# Altium PCB RevA3.PcbDoc (part 4 of 5) (continued)
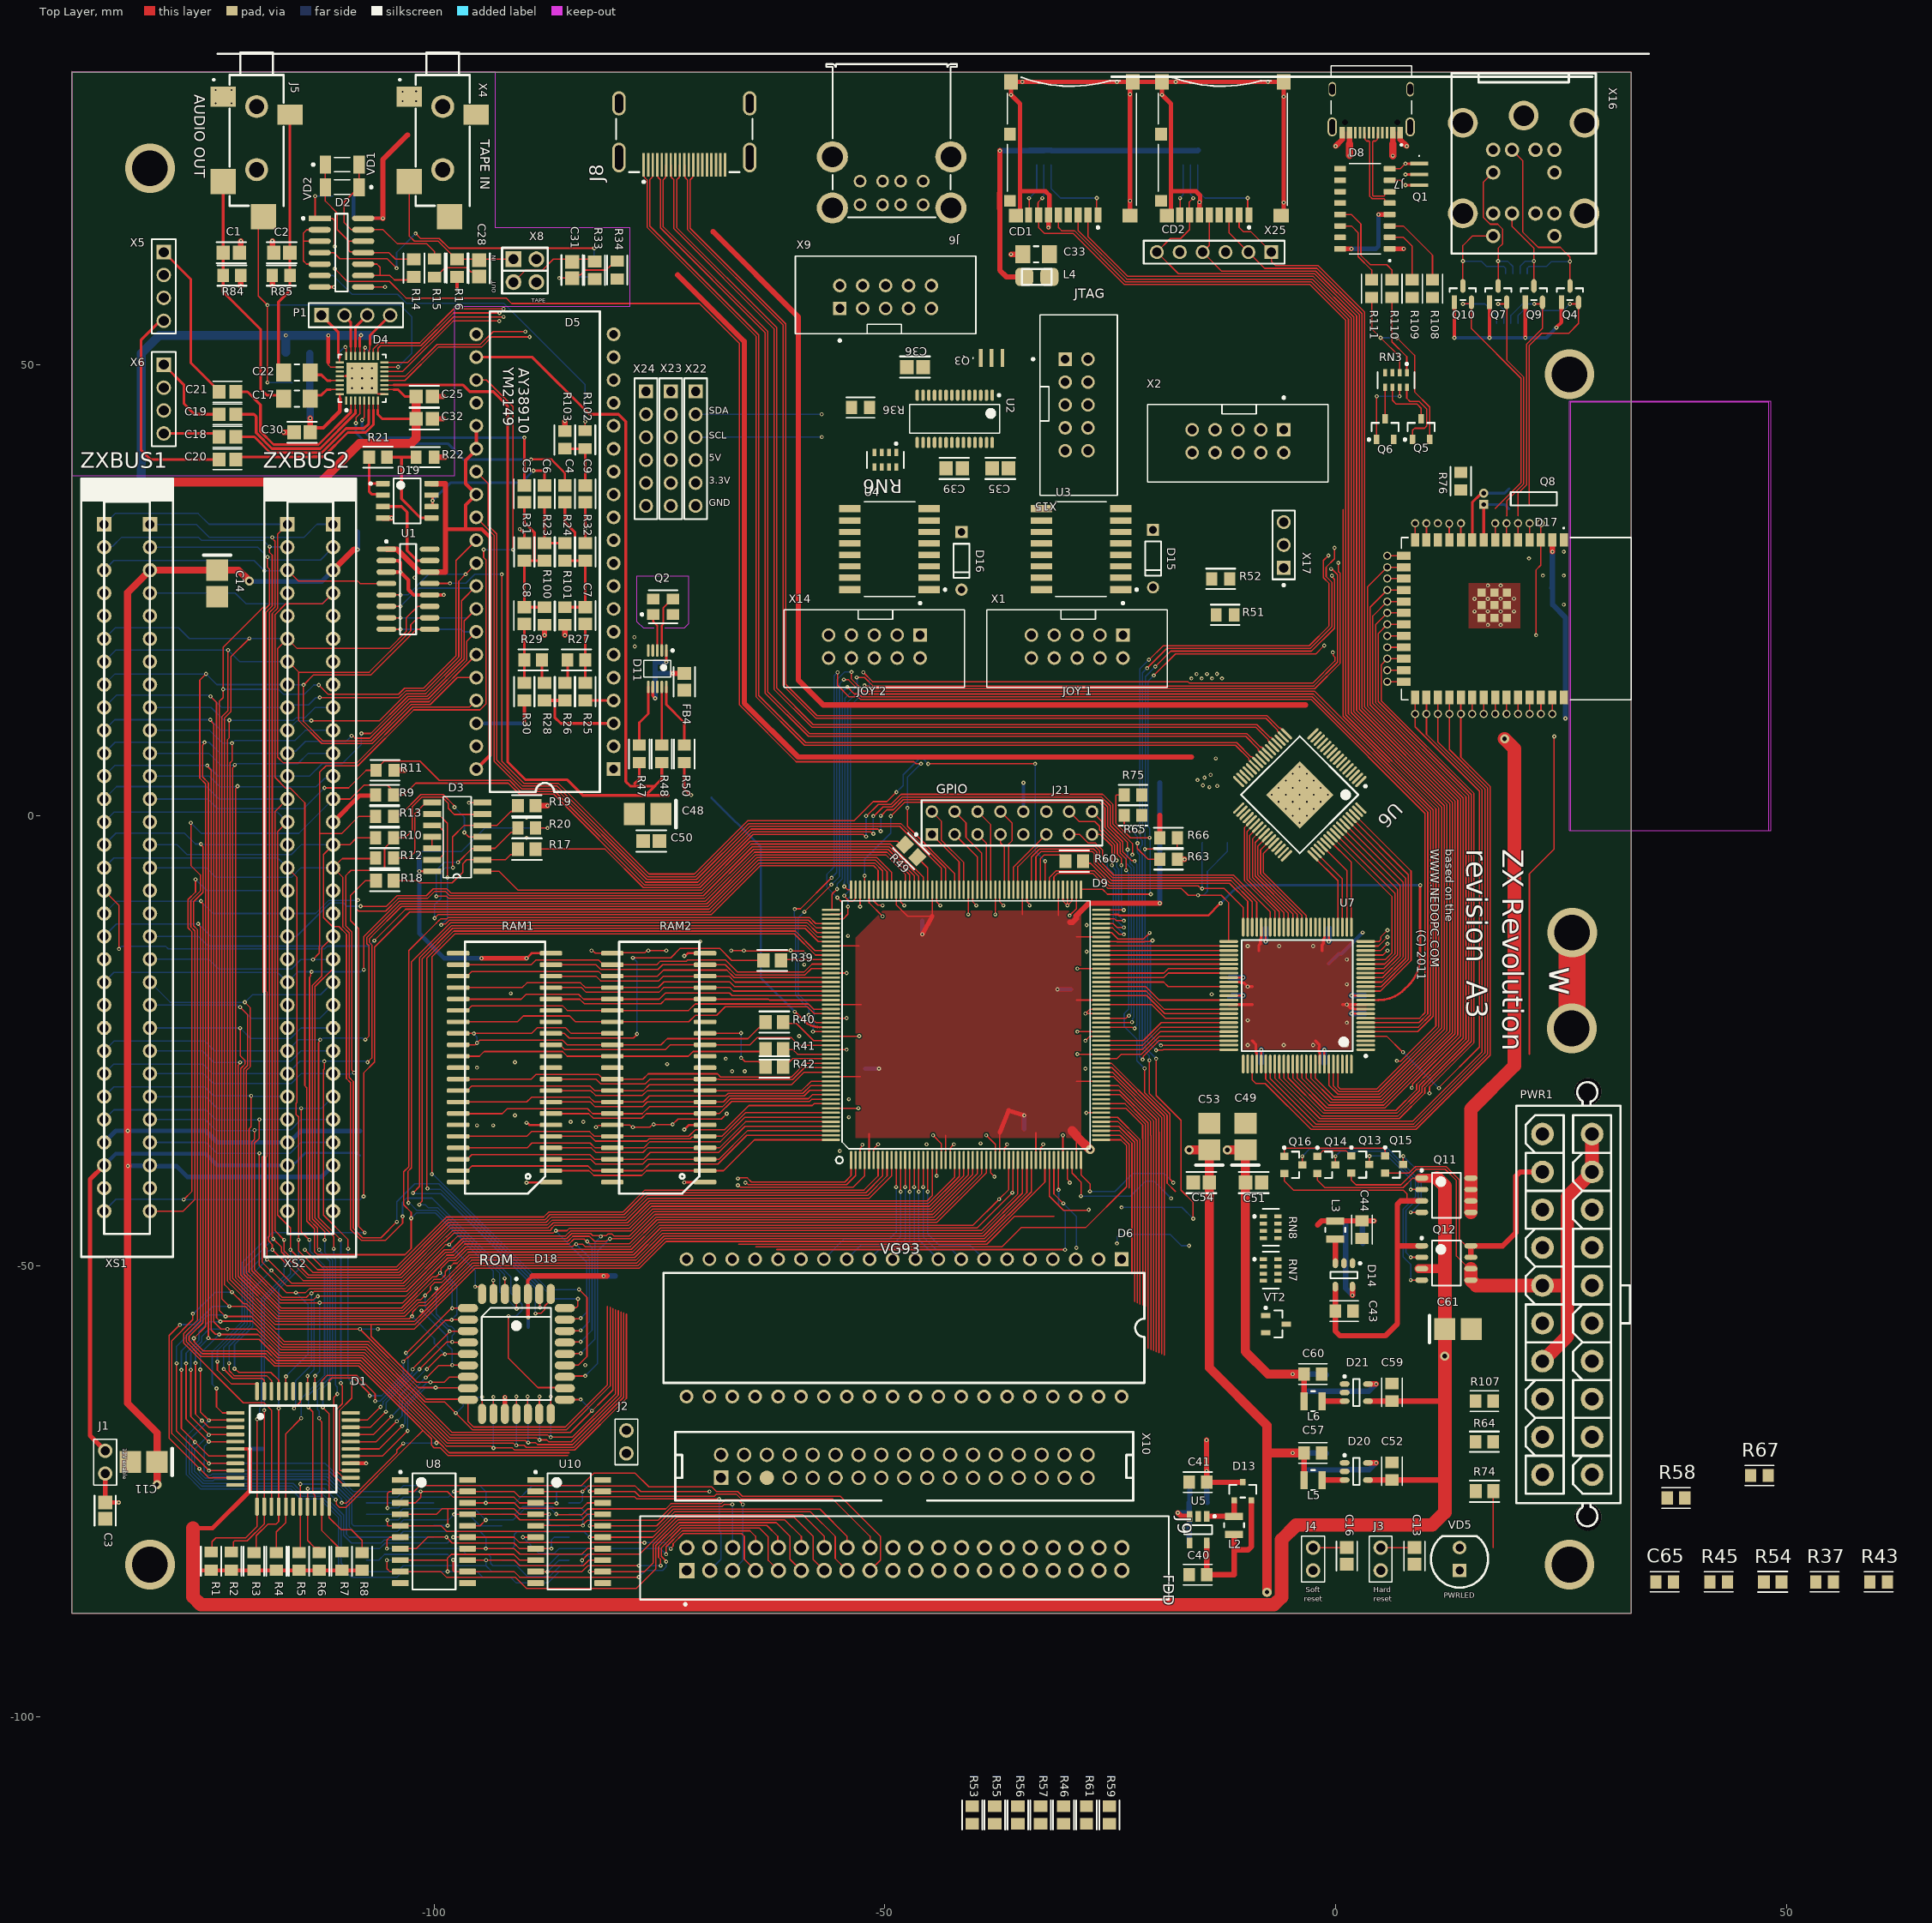
[diagram p0: Top Layer view]
## Nets (pads, with @x,y where several pads share a name; then routed paths per layer and width w, separated by ;. In a path a pad name is that pad's centre, name@x,y a point inside that pad or via, vN(x,y) a via of type N, cw(c..) or ccw(c..) an arc to the next point about the centre after c; other vN are vias at no path point) (continued)
  Top Layer w0.15: J8.4@-75.25,72.2 -75.185,72.135 -75.185,70.806 -74.893,70.515 -74.893,65.182 -63.3,53.588 -63.3,13.583 -58.488,8.771 -9.973,8.771 -8.558,7.356 -8.558,7.215 U6.24@-7.922,6.578
HDMI_TX2_13_N: J8.3 U6.26 | length 122.5
  Top Layer w0.15: J8.3@-75.75,72.2 -75.815,72.135 -75.815,70.806 -76.085,70.536 -76.085,65.383 -64,53.298 -64,13.293 -58.778,8.071 -10.97,8.071 -9.406,6.508 -9.265,6.508 U6.26@-8.629,5.871
HDMI_TX2_13_P: J8.1 U6.27 | length 122.8
  Top Layer w0.15: J8.1@-76.75,72.2 -76.685,72.135 -76.685,70.806 -76.385,70.506 -76.385,65.259 -64.3,53.174 -64.3,13.169 -58.902,7.771 -11.094,7.771 -9.619,6.296 -9.619,6.154 U6.27@-8.982,5.518
HSYNC_1: D9.111 U6.64 U7.51 | length 34.2
  Top Layer w0.15: D9.111@-31.25,-8.25 -31.25,-6.823 -30.885,-6.458 -26.893,-6.458 -25.228,-8.123 -17.088,-8.123 -16.347,-8.864 v1(-15.25,-8.864) -12.678,-8.864 -11.85,-9.692 U7.51@-11.85,-14
  Bottom Layer w0.15: v1(-15.25,-8.864) -14.64,-8.864 -14.219,-8.443 -14.219,-6.219 -12,-4 -12,-3
I2C.SCL_1: D4.17 D11.4 D17.38 R51.2 U3.14 U4.14 U6.35 X22.3 X23.3 X24.3 | length 57.4
  Top Layer w0.15: D4.17@-106.25,50.975 -106.25,51.831 -105.962,52.119 -101.479,52.119 -97.847,55.752 v1(-92.75,55.752) ; v2(22.782,11.25) D17.38@22.782,13.075
  Mid Layer 2 w0.15: v1(-77.791,19.769) -77.83,19.807 -77.874,19.851 -78.038,40.356 -78.038,40.419 -76.5,41.957 X24.3@-76.5,41.96 X23.3@-73.75,41.96
  Bottom Layer w0.15: X22.3@-71,41.96 -67.5,41.96 -67.49,41.97 -57.01,41.97 v1(-57,41.98)
  other v1: -13.998,3.131
  other v4: -13.715,15.19
I2C.SDA_1: D4.18 D11.5 D17.39 R52.2 U3.15 U4.15 U6.36 X22.2 X23.2 X24.2 | length 32.9
  Top Layer w0.15: D4.18@-106.75,50.975 -106.75,51.758 -106.089,52.419 -101.604,52.419 -97.821,56.202 v1(-92.298,56.202) ; v2(24.052,11.25) D17.39@24.052,13.075
  Bottom Layer w0.15: X22.2@-71,44.5 v1(-57.01,44.5)
  other v1: -13.121,3.266 -77.75,18.75
  other v4: -13.162,15.697
I\N\T\_1: D1.12 D9.10 R1.1 XS1.B13 XS2.B13 | length 187.4
  Top Layer w0.15: R1.1@-124.65,-81.475 -124.65,-80.6 -124.208,-80.158 -120.908,-80.158 -119.65,-78.9 D1.12@-119.65,-76.7 v1(-119.65,-67) ; v1@-116.75,-47.2 -116.65,-47.3 -116.65,-48.313 -113.949,-51.013 -103.805,-51.013 -98.255,-45.463 -87.47,-45.463 -86.913,-44.906 -78.691,-44.906 -76.262,-42.477 -51.718,-42.477 -49.25,-40.009 D9.10@-49.25,-38.25 ; v1(-116.65,-47.1) -117.665,-46.085 -117.665,0.435 XS2.B13@-116.29,1.81
  Bottom Layer w0.15: XS1.B13@-136.985,1.435 -135.228,3.192 -125.261,3.192 -123.879,1.81 -116.36,1.81 XS2.B13@-116.35,1.8 ; v1(-119.65,-67) -119.65,-66.962 -119.375,-66.687 -119.375,-65.782 -119.15,-65.557 -119.15,-53.638 -116.65,-51.138 -116.65,-47.3 v1@-116.75,-47.2
I\O\R\Q\1\_1: D9.148 XS1.B17 | length 99.2
  Top Layer w0.15: XS1.B17@-136.61,-8.35 -134.967,-9.993 v1(-134.967,-14.823) ; v1@-106.65,-13.895 -103.168,-10.413 -69.513,-10.413 -64.083,-4.983 -51.01,-4.983 -49.75,-6.244 D9.148@-49.75,-8.25
  Bottom Layer w0.15: v1(-134.967,-14.823) -134.658,-14.514 -129.798,-14.514 -129.508,-14.805 -112.161,-14.805 -111.861,-14.505 -107.258,-14.505 v1(-106.65,-13.896)
I\O\R\Q\2\_1: D9.149 XS1.B31 XS2.B17 | length 167.8
  Top Layer w0.15: v1(-127.784,-42.63) -126.864,-41.71 -126.864,-12.926 -127.3,-12.491 -127.3,-9.333 -126.475,-8.508 v1(-126.475,-7.103) ; v1(-107.824,-42.272) -107.824,-28.584 -106.622,-27.382 -106.622,-14.611 -102.724,-10.713 -69.389,-10.713 -63.959,-5.283 -51.135,-5.283 -50.25,-6.168 D9.149@-50.25,-8.25
  Bottom Layer w0.15: XS1.B31@-136.872,-44.172 -135.298,-42.598 -127.817,-42.598 v1(-127.784,-42.63) -108.209,-42.63 -107.851,-42.272 v1(-107.824,-42.272) ; v1(-126.475,-7.103) -125.228,-8.35 XS2.B17@-116.3,-8.35
I\O\R\Q\_1: D1.16 D9.7 R4.2 | length 107.1
  Top Layer w0.15: R4.2@-117.5,-81.798 -117.5,-79.5 -116.45,-78.45 D1.16@-116.45,-76.7 -116.45,-68.6 v1(-114.75,-66.9) ; v1(-114.35,-48.2) -112.436,-50.113 -104.178,-50.113 -98.628,-44.563 -87.843,-44.563 -87.286,-44.006 -79.064,-44.006 -76.635,-41.577 -52.318,-41.577 -50.75,-40.009 D9.7@-50.75,-38.25
  Bottom Layer w0.15: v1(-114.75,-66.9) -114.75,-64.726 -114.25,-64.226 -114.25,-64.209 -112.163,-62.122 -112.163,-50.386 v1(-114.35,-48.2)
I\P\_5: D6.35 J2.1 R56.1 X10.8
IORQGE1_1: D9.78 R11.2 XS1.A13 | length 149.8
  Top Layer w0.15: v1(-112.173,3.049) -109.494,3.049 -107.543,5 R11.2@-106.452,5 -106.452,5.127 -105.554,6.025 -101.588,6.025 -99.431,3.869 -91.647,3.869 -90.426,2.647 -86.603,2.647 -76.542,-7.413 -70.761,-7.413 -64.868,-1.521 -50.782,-1.521 -50.554,-1.748 v1(-50.469,-1.748) ; v1(-50.455,-0.06) -49.772,0.623 -49.07,0.623 -47.959,1.735 -26.084,1.735 -25.292,0.942 -25.292,-1.231 -23.611,-2.912 -23.611,-4.047 -22.663,-4.995 -22.365,-4.995 v1(-22.293,-5.067) ; D9.78@-26,-23.5 -22.556,-23.5 -22.411,-23.645 v1(-22.29,-23.645)
  Bottom Layer w0.15: XS1.A13@-131.53,1.81 -125.105,1.81 -124.03,0.735 -114.487,0.735 v1(-112.173,3.049) ; v1(-50.469,-1.748) -50.462,-1.741 -50.462,-0.067 v1(-50.455,-0.06) ; v1(-22.293,-5.067) -22.293,-5.189 -22.054,-5.427 -22.054,-5.719 -22.051,-5.722 -22.051,-23.284 -22.29,-23.523 v1(-22.29,-23.645)
IORQGE2_1: D9.80 R9.2 XS1.A31 XS2.A13 | length 192.1
  Top Layer w0.15: XS1.A31@-131.53,-43.91 -127.838,-43.91 -126.55,-42.622 -126.55,-12.817 -127,-12.367 -127,-9.457 -125.95,-8.407 -125.95,-6.597 -126.992,-5.555 v1(-126.992,-0.829) ; XS2.A13@-111.21,1.81 -109.34,1.81 -107.794,3.356 -105.181,3.356 R9.2@-104.445,2.62 ; R9.2@-104.496,2.25 -103.374,2.25 -102.056,3.569 -91.771,3.569 -90.55,2.347 -86.727,2.347 -76.666,-7.713 -70.636,-7.713 -64.745,-1.822 -51.593,-1.822 -51.369,-2.046 v1(-51.281,-2.046) ; v1(-51.29,-0.073) -51.21,-0.073 -50.214,0.923 -49.195,0.923 -48.083,2.035 -25.96,2.035 -24.992,1.067 -24.992,-1.107 -23.079,-3.02 -23.079,-3.798 v1(-23.07,-3.807) ; D9.80@-26,-22.5 -23.24,-22.5 -22.972,-22.232 v1(-22.927,-22.232)
  Bottom Layer w0.15: v1(-126.992,-0.829) -125.827,-1.995 -115.015,-1.995 XS2.A13@-111.21,1.81 ; v1(-51.29,-0.073) -51.285,-0.078 -51.285,-2.042 v1(-51.281,-2.046) ; v1(-23.07,-3.807) -23.07,-4.537 -23.227,-4.694 -23.227,-5.303 -22.66,-5.87 -22.66,-21.919 -22.927,-22.186 v1(-22.927,-22.232)
JDET_3: D4.15 J5.4 R106.1 | length 46.1
  Top Layer w0.15: J5.4@-118.95,66.45 -119.5,65.9 -119.5,57.621 v1(-118.5,56.621) v1(-118.5,48.029) ; D4.15@-105.525,49.75 v1(-104,49.75)
  Bottom Layer w0.15: v1(-118.5,48.029) -115.804,48.029 R106.1@-115.775,48 ; v1(-118.5,56.621) -116.532,56.621 -103.785,56.621 -102.5,55.335 -102.5,53 -102.5,51.25 v1(-104,49.75)
LED1_10: R74.1 U3.11 | length 67.5
  Top Layer w0.15: 0.829,33.921 0.829,11.022 11.129,0.722 11.129,-23.371 7.221,-27.279 6.828,-27.279 v1(6.784,-27.235)
left_ch1_3: C4.1 C7.2 R24.2 R32.1 R101.1 | length 16.6
  Top Layer w0.3: R101.1@-85.5,23.102 C7.2@-83.25,23.102 R32.1@-83.25,28.25 -84.375,28.25 ; R24.2@-85.5,28.25 -84.375,28.25 ; C4.1@-85.5,34.75 -85.5,32.5 -84.375,31.375 -84.375,28.25
left_ch2_3: C19.2 D4.3 | length 18.9
  Top Layer w0.15: -108.75,45 D4.3@-108.75,46.025
  Top Layer w0.3: C19.2@-122,44.5 -120,44.5 -119.75,44.25 -119.75,42.439 -118.011,40.7 -112.641,40.7 -108.75,44.591 -108.75,45
left_ch3_3: C21.2 D4.2 | length 19.7
  Top Layer w0.15: -109.25,45 D4.2@-109.25,46.025
  Top Layer w0.3: C21.2@-122,47 -120.711,47 -119.267,45.556 -119.267,42.592 -117.825,41.15 -112.827,41.15 -109.25,44.727 -109.25,45
LOUT_3: C17.1 D4.31 | length 3.5
  Top Layer w0.15: -111.5,47.25 D4.31@-110.475,47.25
  Top Layer w0.3: C17.1@-113.75,46.625 -112.5,46.625 -111.875,47.25 -111.5,47.25
M\1\_1: D1.24 D9.144 XS1.B24 XS2.B24 | length 159.8
  Top Layer w0.15: v1(-112.65,-24.9) -112.65,-25.022 -112.825,-25.197 -112.825,-44.625 -110.45,-47 v1(-110.45,-47.1) ; v1(-110.35,-63) -110.35,-63.122 -110.175,-63.297 -110.175,-65.27 -110.838,-65.933 -110.838,-72.736 -110.514,-73.06 -110.49,-73.06 -110.05,-73.5 D1.24@-109.25,-73.5 ; v1(-107.63,-24.89) -107.222,-24.482 -107.222,-14.49 -107.475,-14.238 -107.475,-13.555 -107.222,-13.302 -107.222,-13.297 -103.739,-9.813 -69.762,-9.813 -64.331,-4.383 -49.887,-4.383 -47.75,-6.521 D9.144@-47.75,-8.25
  Bottom Layer w0.15: XS1.B24@-136.805,-26.325 -135.535,-25.055 -125.438,-25.055 -124.363,-26.13 -116.36,-26.13 XS2.B24@-116.29,-26.2 ; XS2.B24@-116.29,-26.13 -115.06,-24.9 -112.528,-24.9 -112.346,-24.717 -107.925,-24.717 -107.752,-24.89 v1(-107.63,-24.89) ; v1(-110.45,-47.1) -110.45,-47.222 -110.35,-47.322 v1(-110.35,-63)
M\O\T\_5: D12.2 X10.16
M\R\E\Q\_1: D1.15 D9.8 R3.2 XS1.B16 XS2.B16 | length 173.9
  Top Layer w0.15: R3.2@-120,-81.798 -119.75,-81.548 -119.75,-79.941 -118.445,-78.636 -117.538,-78.636 -117.25,-78.348 D1.15@-117.25,-76.7 v1(-117.25,-65.8) ; XS2.B16@-116.25,-5.8 -116.25,-5.85 -115.215,-6.885 -115.215,-31.834 -115.325,-31.944 -115.325,-33.194 -115.05,-33.469 v1(-115.05,-47.1) -115.05,-48.313 -112.949,-50.413 -104.054,-50.413 -98.504,-44.863 -87.718,-44.863 -87.161,-44.306 -78.939,-44.306 -76.51,-41.877 -52.118,-41.877 -50.25,-40.009 D9.8@-50.25,-38.25
  Bottom Layer w0.15: XS1.B16@-136.985,-6.185 XS1.B16@-136.61,-5.81 -135.535,-4.735 -117.365,-4.735 XS2.B16@-116.29,-5.81 ; v1(-117.25,-65.8) -117.25,-52.587 -115.05,-50.387 v1(-115.05,-47.1)
N\M\I\_1: D1.13 D9.9 R2.1 XS1.B14 XS2.B14 | length 180.3
  Top Layer w0.15: R2.1@-122.25,-81.475 -122.25,-80.6 -122.15,-80.5 -120.733,-80.5 -118.85,-78.617 D1.13@-118.85,-76.7 v1(-118.85,-66) ; XS2.B14@-116.29,-0.73 -117.365,-1.805 -117.365,-44.355 -115.95,-45.77 v1(-115.95,-48.2) ; v1@-115.897,-48.347 -115.803,-48.347 -113.436,-50.713 -103.93,-50.713 -98.38,-45.163 -87.594,-45.163 -87.037,-44.606 -78.815,-44.606 -76.386,-42.177 -51.918,-42.177 -49.75,-40.009 D9.9@-49.75,-38.25
  Bottom Layer w0.15: XS1.B14@-136.985,-1.105 -135.535,0.345 -117.365,0.345 XS2.B14@-116.29,-0.73 ; v1(-118.85,-66) -118.85,-53.762 -115.95,-50.862 v1(-115.95,-48.2)
NetC1_2: C1.2 C17.2 J5.2 R84.2 | length 27.6
  Top Layer w0.3: J5.2@-123.4,70.35 -123.403,70.347 C1.2@-123.403,62.44 -123.403,59.9 -123.403,58.084 -119.25,53.931 -119.25,47.29 -118.585,46.625 C17.2@-116.7,46.625
NetC2_2: C2.2 C22.2 J5.3 R85.2 | length 29.6
  Top Layer w0.3: C22.2@-116.7,48.875 -117.279,49.454 -117.279,56.971 -116,58.251 R85.2@-115.999,59.9 C2.2@-116,62.44 J5.3@-116,77.75
NetC4_2: C4.2 D4.4 | length 30.2
  Top Layer w0.15: v1(-108.68,43.535) -108.68,44.13 -108.25,44.561 D4.4@-108.25,46.025
  Top Layer w0.25: v1(-89.25,39.5) -87,39.5 -85.5,38 C4.2@-85.5,36.602
  Bottom Layer w0.3: v1(-108.68,43.535) -108.68,42.43 -107.5,41.25 -98.5,41.25 -96.75,39.5 v1(-89.25,39.5)
NetC5_2: C5.2 D4.5 | length 27
  Top Layer w0.15: v1(-108,43.85) -108,43.913 -107.75,44.163 D4.5@-107.75,46.025
  Top Layer w0.25: C5.2@-90,36.602 v1(-90,41.921)
  Bottom Layer w0.3: v1(-108,43.85) -108,42.827 -107.094,41.921 v1(-90,41.921)
NetC6_1: C6.1 R23.1 R24.1 | length 6.8
  Top Layer w0.3: C6.1@-87.75,34.75 R23.1@-87.75,30.202 R24.1@-85.5,30.202
NetC6_2: C6.2 D19.6 D19.7 | length 16.7
  Top Layer w0.3: D19.6@-100.3,34.27 -100.181,34.389 v1(-100.181,34.912) -100.181,35.421 D19.7@-100.3,35.54 ; v1(-89,38.25) -87.926,38.25 -87.75,38.074 C6.2@-87.75,36.602
  Bottom Layer w0.3: v1(-100.181,34.912) -98.184,36.909 -90.341,36.909 v1(-89,38.25)
NetC7_1: C7.1 R25.1 R27.1 | length 6.5
  Top Layer w0.3: R25.1@-83.25,14.702 R27.1@-83.25,17.25 C7.1@-83.25,21.25
NetC8_1: C8.1 R29.1 R30.1 | length 6.5
  Top Layer w0.3: R30.1@-90,14.702 R29.1@-90,17.25 C8.1@-90,21.25
NetC9_1: C9.1 R102.1 R103.2 | length 6.6
  Top Layer w0.3: R103.2@-85.5,40.685 R102.1@-83.25,40.685 C9.1@-83.25,36.602 C9.1@-83.25,36.352
NetC9_2: C9.2 R31.2 R32.2 | length 13.3
  Top Layer w0.3: v1(-90.5,31.756) -90,31.256 R31.2@-90,30.202 ; R32.2@-83.25,30.202 C9.2@-83.25,34.5
  Mid Layer 2 w0.3: v1(-90.5,31.756) v1(-83.256,31.756)
  Bottom Layer w0.3: v1(-83.256,31.756) v1@-83.25,31.75
NetC10_1: C10.1 D17.9 Q8.2 | length 8.9
  Top Layer w0.3: D17.9@15.162,30.575 15.162,34.725 16.057,35.62 16.298,35.62 Q8.2@16.432,35.754
  Bottom Layer w0.3: Q8.2@16.432,35.754 18.754,35.754 C10.1@19.25,36.25
NetC12_1: C12.1 D17.8 Q8.1 | length 6.9
  Top Layer w0.3: D17.8@16.432,30.575 Q8.1@16.432,34.5
  Bottom Layer w0.3: Q8.1@16.432,34.5 18.75,34.5 C12.1@19.25,34
NetC18_1: C18.1 X6.4 | length 6.3
  Top Layer w0.3: X6.4@-130,42.38 -124.232,42.38 C18.1@-123.852,42
NetC19_1: C19.1 X6.1 | length 9.6
  Top Layer w0.3: X6.1@-130,50 -127.75,47.75 -127.75,45.67 -126.58,44.5 C19.1@-123.852,44.5
NetC20_1: C20.1 X5.4 | length 24.7
  Top Layer w0.3: -130.833,54.44 -132.509,52.764 -132.509,40.509 -131.5,39.5 -130.875,39.5 C20.1@-123.852,39.5 ; -130.833,54.44 -130.392,54.88 X5.4@-130,54.88
NetC21_1: C21.1 X5.1 | length 18
  Top Layer w0.3: X5.1@-130,62.5 -127,59.5 -127,54.88 -127,51.75 -127,50.199 -123.852,47.051 C21.1@-123.852,47
NetC28_2: C28.2 R15.1 | length 5.8
  Top Layer w0.15: R15.1@-99.95,59.735 -99.823,59.735 -98.784,60.774 -96.393,60.774 -95.915,60.297 -95.508,60.297 C28.2@-95,59.789
NetC31_1: C31.1 C34.1 R34.2 R35.2 | length 11.2
  Top Layer w0.15: v1(-86.123,59.617) C31.1@-84.7,59.617 -84.366,59.95 -83.785,59.95 -83.229,60.506 -80.904,60.506 -80.356,61.054 -80.356,61.092 R34.2@-79.737,61.71
  Bottom Layer w0.15: v1(-86.123,59.617) -84.883,59.617 C34.1@-84.75,59.75 R35.2@-82.25,59.75
NetC35_1: C35.1 U2.12 U2.28
NetC36_1: C36.1 U2.13 U2.21
NetC42_2: C42.2 R112.1 R113.1 R126.1 U5.3 | length 9.6
  Top Layer w0.6: v1(-17.5,-77.392) -17.117,-77.775 U5.3@-16.2,-77.775
  Bottom Layer w0.6: v1(-17.5,-77.392) -16.371,-77.392 -16.229,-77.25 ; R112.1@-16.254,-80.75 -16.229,-80.725 -16.229,-78.5 -16.229,-77.25 ; R113.1@-16.152,-74 -16.178,-74.026 -16.178,-76.224 C42.2@-16.204,-76.25 -16.229,-76.275 -16.229,-77.25
NetC43_2: C43.2 D14.4 Q11.3 Q12.1 Q16.2 | length 47.2
  Top Layer w0.15: Q16.2@-5.7,-39.725 -5.7,-40.55 -4.645,-41.605 7.539,-41.605 7.931,-41.997 7.931,-42.787
  Top Layer w0.6: D14.4@-0.026,-52.3 C43.2@-0.026,-55 -0.026,-57.224 0.5,-57.75 5.519,-57.75 6.859,-56.41 6.859,-47.763 6.859,-43.139 7.21,-42.787 7.931,-42.787 Q11.3@9.56,-42.787 ; 6.906,-47.763 Q12.1@9.56,-47.763
NetC47_1: C47.1 D14.5 R120.2 R121.1 | length 9.5
  Top Layer w0.6: v1(1.874,-53.25) D14.5@1.874,-52.3
  Bottom Layer w0.6: C47.1@1.122,-45 R121.1@1.122,-47.5 R120.2@1.122,-50 1.122,-52.498 v1(1.874,-53.25)
NetC55_2: C55.2 D16.2 X14.5
NetC56_2: C56.2 D15.2 X1.5
NetC58_1: C58.1 D20.5 R122.2 R123.1 | length 9.2
  Top Layer w0.6: D20.5@3.6,-71.85 v5(4.5,-71.85)
  Bottom Layer w0.6: R123.1@-3.5,-72.652 -3.475,-72.627 1.475,-72.627 R122.2@1.5,-72.602 3.748,-72.602 v5(4.5,-71.85)
NetC65_1: C65.1 J8.20 J8.21 J8.22 J8.23 R54.2
NetC75_1: C75.1 D21.5 R124.2 R125.1 | length 9.2
  Top Layer w0.6: D21.5@3.6,-63.1 v5(4.5,-63.1)
  Bottom Layer w0.6: R125.1@-3.5,-63.902 C75.1@-1,-63.902 R124.2@1.5,-63.902 3.698,-63.902 v5(4.5,-63.1)
NetC90_1: C90.1 C91.1 D11.1 D11.7 FB4.2 | length 11.2
  Top Layer w0.3: D11.7@-75.75,14.25 -75.75,13.267 v1(-75.481,12.998) ; v1(-74.25,17) D11.1@-74.25,18.3
  Top Layer w0.6: v1(-73.5,15.75) FB4.2@-72.25,15.75
  Bottom Layer w0.6: v1(-75.481,12.998) C90.1@-75.481,14.523 -75.481,15.75 ; v1(-74.25,17) -75.418,17 C91.1@-75.481,17.063 -75.481,15.75 ; v1(-73.5,15.75) -75.481,15.75
NetCD1_1: CD1.1 RN1.1 | length 9.7
  Top Layer w0.15: v1(-26.5,68.5) -26.5,67.119 CD1.1@-26.354,66.973
  Bottom Layer w0.15: RN1.1@-31.55,72.2 -31.55,69.537 -30.513,68.5 v1(-26.5,68.5)
NetCD1_8: CD1.8 RN1.3 | length 5.9
  Top Layer w0.15: CD1.8@-34.054,66.681 -34,66.734 v1(-34,68.486)
  Bottom Layer w0.15: v1(-34,68.486) -33.15,69.336 RN1.3@-33.15,72.2
NetCD2_1: CD2.1 RN2.1 | length 10.4
  Top Layer w0.15: v1(-9.75,68.5) -9.75,67.119 CD2.1@-9.604,66.973
  Bottom Layer w0.15: RN2.1@-15.3,72.2 -15.3,69.299 -14.501,68.5 v1(-9.75,68.5)
NetCD2_8: CD2.8 RN2.3 | length 5.7
  Top Layer w0.15: CD2.8@-17.304,66.681 -17.25,66.734 v1(-17.25,68.486)
  Bottom Layer w0.15: v1(-17.25,68.486) -17.25,68.528 -16.9,68.878 RN2.3@-16.9,72.2
NetD2_4: D2.4 R35.1 | length 35.7
  Top Layer w0.15: D2.4@-112.7,62.44 -111.143,62.44 -110.473,61.77 -105.226,61.77 v1(-104.166,60.71) ; v1(-102.057,64.567) -101.506,64.016 -99.431,64.016 -98.346,62.93 v1(-82.25,62.93)
  Bottom Layer w0.15: v1(-104.166,60.71) -104.166,62.459 v1(-102.057,64.567) ; R35.1@-82.25,61.704 v1(-82.25,62.93)
NetD2_6: D2.6 R102.2 | length 39.6
  Top Layer w0.15: R102.2@-83.25,42.689 v1(-83.25,43.694)
  Bottom Layer w0.15: -112.7,59.9 -111.2,59.9 -109.113,57.814 -104.057,57.814 -103.049,56.805 -92.265,56.805 -83.25,47.79 -83.25,46.802 v1(-83.25,43.694)
NetD2_9: D2.9 D2.10 R14.1 | length 7.8
  Top Layer w0.15: D2.10@-107.868,61.17 -106.36,61.17 -106.006,60.817 -106.006,59.9 ; D2.9@-107.112,59.9 -106.006,59.9 ; R14.1@-102.45,59.41 -104.411,59.41 -104.901,59.9 -106.006,59.9
NetD2_11: D2.11 D2.12 R14.2 VD1.1 VD2.2 | length 19.6
  Top Layer w0.15: VD1.1@-112.075,72.21 VD2.2@-112.075,69.71 -112.075,68.16 -110.75,66.835 -110.75,65 -109.46,63.71 ; D2.11@-107.868,62.44 -107.957,62.53 -109.33,62.53 -109.46,62.66 -109.46,63.71 ; D2.11@-107.112,62.44 -105.021,62.44 -104.291,61.71 R14.2@-102.45,61.71 ; D2.12@-107.112,63.71 D2.12@-107.868,63.71 -109.46,63.71
NetD2_13: D2.13 R15.2 VD1.2 VD2.1 | length 19.4
  Top Layer w0.15: VD1.2@-108.325,72.21 VD2.1@-108.325,69.71 -110,68.035 -110,65.798 -109.217,65.015 D2.13@-107.833,65.015 ; D2.13@-107.868,64.98 D2.13@-107.833,65.015 ; R15.2@-99.95,61.71 -99.95,62.543 -100.823,63.416 -104.082,63.416 -105.68,65.015 D2.13@-107.833,65.015
NetD3_2: D3.2 R17.1 R18.1 | length 16.5
  Top Layer w0.15: R18.1@-104.775,-6.575 -104.775,-6.675 -104.2,-7.25 -101.9,-7.25 -101.65,-7.5 -97.997,-7.5 -96.825,-6.328 -96.825,-5.375 -96.38,-4.93 D3.2@-94.65,-4.93 -92.089,-4.93 -91.516,-4.357 -91.304,-4.357 -90.907,-3.96 R17.1@-90.907,-3.748
NetD3_4: D3.4 R13.1 | length 13.9
  Top Layer w0.15: R13.1@-104.496,-0.1 -104.335,0.061 -103.752,0.061 -101.492,2.32 -99,2.32 -97.836,1.157 -97.836,0.986 v1(-97.75,0.9) ; v1(-96.65,-1.9) -96.15,-2.4 -94.66,-2.4 D3.4@-94.65,-2.39
  Bottom Layer w0.15: v1(-97.75,0.9) -96.65,-0.2 v1(-96.65,-1.9)
NetD3_8: D3.8 R12.1 | length 9.1
  Top Layer w0.15: R12.1@-104.25,-4.75 -104.244,-4.744 -102.809,-4.744 -102.151,-4.086 -102.151,0.182 -100.913,1.42 D3.8@-100.238,1.42
NetD3_10: D3.10 D3.13 | length 5.7
  Top Layer w0.15: D3.13@-100.238,-4.93 -99.563,-4.93 -98.963,-4.33 -98.963,-1.72 -99.563,-1.12 D3.10@-100.238,-1.12
NetD3_11: D3.11 D3.12 | length 1.3
  Top Layer w0.15: D3.12@-100.238,-3.66 -100.25,-3.648 -100.25,-2.402 D3.11@-100.238,-2.39
NetD7_12: D7.12 J2.0
NetD8_7: D8.7 Q1.3 | length 3.5
  Top Layer w0.15: D8.7@6,70.48 7.19,70.48 v1(7.75,69.92)
  Top Layer w0.3: v1(7.75,69.92) Q1.3@9.275,69.92
NetD8_8: D8.8 Q1.1 | length 3.5
  Top Layer w0.15: D8.8@6,71.75 7.18,71.75 v1(7.75,72.32)
  Top Layer w0.3: v1(7.75,72.32) Q1.1@9.275,72.32
NetD9_114: D9.114 R60.1 | length 6.7
  Top Layer w0.15: D9.114@-32.75,-8.25 -32.75,-4.8 -32.347,-4.397 -30.567,-4.397 -29.965,-4.999 R60.1@-29.965,-5.079
NetD9_139: D9.139 R49.1 | length 4.2
  Top Layer w0.15: R49.1@-46.529,-4.541 -45.25,-5.82 D9.139@-45.25,-8.25
NetD9_168: D9.168 R39.1 | length 5.6
  Top Layer w0.15: R39.1@-61.524,-16.1 -61.424,-16 D9.168@-56,-16
NetD9_186: D9.186 R40.1 | length 6.1
  Top Layer w0.15: R40.1@-61.283,-22.937 -61.128,-23.093 -59.816,-23.093 -57.909,-25 D9.186@-56,-25
NetD9_189: D9.189 R41.1 | length 5.5
  Top Layer w0.15: R41.1@-61.283,-25.937 -61.233,-25.987 -60.218,-25.987 -59.705,-26.5 D9.189@-56,-26.5
NetD9_190: D9.190 R42.1 | length 5.1
  Top Layer w0.15: R42.1@-60.856,-27.631 -60.225,-27 D9.190@-56,-27
NetD11_2: D11.2 Q2.3 | length 6.3
  Top Layer w0.2: D11.2@-74.75,18.3 -74.75,21.05 -74.6,21.2 -74.6,23 -73.6,24 Q2.3@-73.5,24
NetD11_3: D11.3 Q2.1 | length 4.2
  Top Layer w0.2: Q2.1@-75.7,22.3 -75.7,21.5 -75.25,21.05 D11.3@-75.25,18.3
NetD11_6: D11.6 R47.1 | length 6.9
  Top Layer w0.25: R47.1@-77.25,7.8 -77.25,10.3 -76.25,11.3 D11.6@-76.25,14.25
NetD11_9: D11.9 R48.1 | length 6.4
  Top Layer w0.25: R48.1@-74.75,7.8 D11.9@-74.75,14.25
NetD11_10: D11.10 R50.1 | length 7.3
  Top Layer w0.25: D11.10@-74.25,14.25 -74.25,12.3 -72.25,10.3 R50.1@-72.25,7.8
NetD13_1: D13.1 L2.2 U5.1 | length 4.8
  Top Layer w0.6: U5.1@-14.3,-77.775 L2.2@-11.25,-77.775 D13.1@-11.25,-76
NetD14_3: D14.3 L3.1 | length 2.7
  Top Layer w0.6: D14.3@-0.026,-49.7 L3.1@-0.026,-47
NetD17_24: D17.24 R64.1 | length 56.6
  Top Layer w0.15: D17.24@7.562,17.38 v2(5.737,17.38) 5.062,16.705 5.062,13.467 5.078,13.451 5.078,12.712 15.358,2.433 15.358,-25.201 10.835,-29.723 10.417,-30.141 v1(10.417,-30.846)
NetD19_1: D19.1 D19.2 R21.2 | length 6.7
  Top Layer w0.3: R21.2@-107.202,39.405 -107.202,37.655 -107.202,36.655 ; D19.2@-105.7,35.54 -105.8,35.64 -106.937,35.64 -107.202,35.905 -107.202,36.655 ; D19.1@-105.7,36.81 -107.047,36.81 -107.202,36.655
NetD19_3: D19.3 U1.15 | length 10.2
  Top Layer w0.3: D19.3@-105.7,34.27 -103.625,34.27 -103,33.645 -103,29.375 -101.895,28.27 U1.15@-100.5,28.27
NetD19_5: D19.5 R21.1 R22.2 | length 12.1
  Top Layer w0.3: R21.1@-105.25,39.75 -103.625,39.75 ; R22.2@-102,39.75 -103.625,39.75 ; D19.5@-100.3,33 -101.5,33 -103.625,35.125 -103.625,39.75
NetD20_1: D20.1 D21.1 U5.4
NetD20_3: D20.3 L5.1 | length 2.5
  Top Layer w0.6: L5.1@-1.5,-73.75 D20.3@1,-73.75
NetD21_3: D21.3 L6.1 | length 2.5
  Top Layer w0.6: L6.1@-1.5,-65 D21.3@1,-65
NetPWR1_14: PWR1.14 VT1.3
NetQ3_1: Q3.1 U2.3
NetQ3_3: Q3.3 U2.2
NetQ4_3: Q4.3 RN4.4 X16.1 | length 24.9
  Top Layer w0.15: X16.1@19.57,73.842 20.75,72.662 20.75,64.742 22.466,63.026 24.935,63.026 26,61.961 v1(26,61.455) Q4.3@26,58.75
  Bottom Layer w0.15: RN4.4@21.263,60.1 21.263,60.7 21.475,60.912 23.405,60.912 23.948,61.455 v1(26,61.455)
NetQ5_1: Q5.1 RN3.8 | length 8.6
  Top Layer w0.15: RN3.8@7.9,47.5 7.9,46.282 8.25,45.932 9.28,45.932 10.12,45.092 10.12,43.209 9.869,42.959 8.76,42.959 8.55,42.749 Q5.1@8.55,41.7
NetQ6_1: Q6.1 RN3.7 | length 8.3
  Top Layer w0.15: Q6.1@4.55,41.7 4.558,41.708 v5(4.558,46.499) ; RN3.7@7.1,47.5 7.103,47.497 7.103,46.507 v5(7.106,46.504)
  Bottom Layer w0.15: v5(4.558,46.499) 4.561,46.501 7.103,46.501 v5(7.106,46.504)
NetQ7_3: Q7.3 RN4.2 X16.5 | length 17.3
  Top Layer w0.15: X16.5@17.47,71.342 16.395,70.267 16.395,66.348 17.147,65.595 17.984,65.595 18.545,65.034 18.545,63.434 18.036,62.925 v1(18.036,61.5) Q7.3@18.036,58.75
  Bottom Layer w0.15: v1(18.036,61.5) 19.075,61.5 19.663,60.912 RN4.2@19.663,60.1
NetQ9_3: Q9.3 RN4.3 X16.7 | length 11.6
  Top Layer w0.15: X16.7@19.57,66.792 19.57,65.355 22,62.925 v1(22,61.5) Q9.3@22,58.75
  Bottom Layer w0.15: RN4.3@20.463,60.1 20.463,60.912 21.05,61.5 v1(22,61.5)
NetQ10_3: Q10.3 RN4.1 X16.11 | length 13.9
  Top Layer w0.15: Q10.3@14.12,58.75 v1(14.12,61.5) 14.12,63.23 15.182,64.292 X16.11@17.47,64.292
  Bottom Layer w0.15: v1(14.12,61.5) 16.152,61.5 16.74,60.912 18.65,60.912 18.863,60.7 RN4.1@18.863,60.1
NetQ11_2: Q11.2 Q13.3 RN7.8 | length 9
  Top Layer w0.15: Q13.3@3.75,-38.75 v1@3.75,-37.803 ; v1(8.338,-41.517) Q11.2@9.56,-41.517
  Bottom Layer w0.15: v1(3.753,-37.8) 5.771,-37.8 8.338,-40.367 v1(8.338,-41.517)
NetQ11_4: Q11.4 Q15.3 RN8.8 | length 9.7
  Top Layer w0.15: Q15.3@7.5,-38.75 7.5,-37.803 v1(7.503,-37.8) ; v1(8.338,-44.057) Q11.4@9.56,-44.057
  Bottom Layer w0.15: v1(7.503,-37.8) 9.475,-39.772 9.475,-42.92 v1(8.338,-44.057)
NetQ12_2: Q12.2 Q16.3 RN8.6 | length 26.3
  Top Layer w0.15: Q16.3@-3.7,-38.775 v1@-3.7,-37.828 ; v1(8.338,-49.033) Q12.2@9.56,-49.033
  Bottom Layer w0.15: v1(-3.697,-37.825) -2.843,-36.97 5.79,-36.97 9.175,-40.356 9.175,-42.448 7.8,-43.822 7.8,-48.495 v1(8.338,-49.033)
NetQ12_4: Q12.4 Q14.3 RN7.6 | length 24.6
  Top Layer w0.15: Q14.3@-0.019,-38.775 v1@-0.019,-37.828 ; v1(8.338,-51.573) Q12.4@9.56,-51.573
  Bottom Layer w0.15: v1(-0.016,-37.825) 0.538,-37.27 5.665,-37.27 8.875,-40.48 8.875,-42.323 7.5,-43.698 7.5,-48.996 8.338,-49.834 v1(8.338,-51.573)
NetQ13_1: Q13.1 Q14.1 RN7.7 | length 4.3
  Top Layer w0.15: Q14.1@-2.019,-37.825 -1.428,-37.234 1.184,-37.234 1.375,-37.425 1.375,-37.475 1.7,-37.8 Q13.1@1.75,-37.8
NetQ15_1: Q15.1 Q16.1 RN8.7 | length 12.7
  Top Layer w0.15: Q16.1@-5.7,-37.825 -5.7,-37.15 -5.473,-36.924 5.279,-36.924 5.367,-37.012 5.367,-37.044 5.5,-37.177 Q15.1@5.5,-37.8
NetR26_1: R26.1 R27.2 | length 2.7
  Top Layer w0.3: R26.1@-85.5,14.702 -85.202,15 R27.2@-85.202,17.25
NetR28_1: R28.1 R29.2 | length 2.7
  Top Layer w0.3: R29.2@-88.048,17.25 -88.048,15 R28.1@-87.75,14.702
NetR36_1: R36.1 U2.14
NetR58_2: R58.2 U6.30
NetR67_1: R67.1 U6.32
NetR98_1: R98.1 X2.1
NetR99_1: R99.1 X2.3
NetR104_1: R104.1 X2.5
NetR105_1: R105.1 X2.9
NetRN6_2: RN6.2 U2.19
NetRN6_3: RN6.3 U2.26
NetRN6_4: RN6.4 U2.18
NetRN7_1: RN7.1 RN7.2 RN7.3 VT2.3
NetU2_22: U2.22
NetU2_23: U2.23
NetU2_24: U2.24
NetU2_25: U2.25
NetU2_27: U2.27
NetU4_11: U4.11
NetU4_12: U4.12
NetU6_1: U6.1 U6.11 U6.31 U6.51
NetU6_15: U6.15 U6.19 U6.25
NetVD5_K: R74.2 VD5.K | length 6.3
  Top Layer w0.15: 17.5,-81.25 R74.2@17.5,-75
NetX1_10: X1.10
NetX2_7: X2.7
NetX9_9: X9.9
NetX9_10: X9.10
NetX14_10: X14.10
NetX15_6: X15.6
NetX15_7: X15.7
NetX15_8: X15.8
P\R\G\R\S\T\_11: C13.2 D17.3 J3.0 Q5.3 RN3.6 | length 58.9
  Top Layer w0.15: J3.0@5,-81.25 C13.2@8.75,-81.25 ; RN3.6@6.3,47.5 6.3,46.064 6.736,45.628 9.052,45.628 9.5,45.18 Q5.3@9.5,44 ; 21.5,-26.489 21.5,-6.485 24.25,-3.735 v1(24.25,8.75) ; v1(22.25,20) 22.25,27.25 22.75,27.75 22.75,30.543 D17.3@22.782,30.575 ; D17.3@22.75,30.615 v2(22.75,32.44)
PS2_KEYB_CLK_11: D17.6 Q7.2 RN5.6 | length 30.5
  Top Layer w0.15: v1(18.036,56.75) 18.806,56.75 Q7.2@18.986,56.93 18.986,50.514 20.872,48.628 20.872,36.788 18.986,34.902 18.986,33.251 18.972,33.237 ; D17.6@18.972,30.575 v2(18.972,32.4)
  Bottom Layer w0.15: v1(18.036,56.75) 18.65,56.136 RN5.6@18.65,54.597
PS2_KEYB_DAT_11: D17.4 Q4.2 RN5.8 | length 36.5
  Top Layer w0.15: D17.4@21.492,30.595 D17.4@21.512,30.575 v2(21.512,32.4) ; 21.492,34.52 21.472,34.54 21.472,52.128 22.845,53.5 25.876,53.5 26.95,54.574 Q4.2@26.95,56.93 26.77,56.75 v1(26,56.75)
  Bottom Layer w0.15: RN5.8@20.25,54.597 20.25,55.469 20.781,56 25.25,56 v1(26,56.75)
PS2_MOUS_CLK_11: D17.7 Q10.2 RN5.5 | length 34.3
  Top Layer w0.15: v1(14.12,56.75) 14.159,56.789 14.93,56.789 Q10.2@15.07,56.93 15.07,54.006 20.572,48.503 20.572,36.912 17.702,34.042 ; D17.7@17.702,30.575 v2(17.702,32.4)
  Bottom Layer w0.15: v1(14.12,56.75) 16.569,56.75 17.85,55.469 RN5.5@17.85,54.597
PS2_MOUS_DAT_11: D17.5 Q9.2 RN5.7 | length 31.6
  Top Layer w0.15: D17.5@20.242,30.575 v2(20.242,32.4) ; 20.242,33.25 20.242,35.734 21.172,36.664 21.172,52.258 22.95,54.036 Q9.2@22.95,56.93 22.77,56.75 v1(22.039,56.75)
  Bottom Layer w0.15: RN5.7@19.45,54.597 19.45,55.469 20.731,56.75 v1(22.039,56.75)
PWRGOOD_2: PWR1.8
R\D\_1: D1.18 D6.4 D9.141 R5.2 XS1.B18 XS2.B18 | length 224.2
  Top Layer w0.15: v1(-125.875,-9.499) -125.875,-9.587 -125.65,-9.812 -125.65,-56.279 -126.875,-57.504 -127.188,-57.816 -127.188,-58.3 -125.75,-59.738 -118.673,-59.738 -117.611,-60.8 -108.258,-60.8 -99.744,-69.314 ; R5.2@-115,-81.798 -114.85,-81.648 v1(-114.85,-74.2) ; v1(-110.258,-76.28) -110.241,-76.296 -109.716,-76.296 -104.15,-70.73 -104.15,-70.412 v1(-103.43,-69.692) ; v1(-108.459,-9.401) -108.459,-9.485 -108.688,-9.714 -108.688,-10.308 -108.381,-10.615 -105.39,-10.615 -103.988,-9.213 -100.738,-9.213 -99.979,-8.454 -98.733,-8.454 -98.274,-8.913 -70.134,-8.913 -64.704,-3.483 -49.514,-3.483 -46.25,-6.748 D9.141@-46.25,-8.25 ; v1(-99.744,-69.632) -99.744,-69.314 ; -85.019,-70.725 -98.333,-70.725 -99.585,-69.473 -99.744,-69.314
  Bottom Layer w0.15: XS1.B18@-136.985,-11.265 -135.267,-9.547 -125.923,-9.547 v1(-125.875,-9.499) ; v1@-125.875,-9.547 -124.532,-10.89 XS2.B18@-116.29,-10.89 -113.154,-10.89 -111.689,-9.425 -108.483,-9.425 v1(-108.459,-9.401) ; v1(-114.85,-74.2) -111.922,-74.2 -110.271,-75.85 -110.271,-76.266 v1(-110.258,-76.28) ; v1(-103.43,-69.692) -103.4,-69.662 -99.774,-69.662 v1(-99.744,-69.632)
R\D\A\T\_5: D7.11 R44.1 X10.30
R\D\A\T\_\B\: D7.10 R46.2 | length 34.5
  Top Layer w0.15: -26,-28.5 -24.725,-28.5 -19.607,-33.618 -19.607,-35.122 -19.595,-35.134 -19.595,-59.638
R\D\A\T\_\B\_1: D9.68